# KiCad board pcb.kicad_pcb (continued)
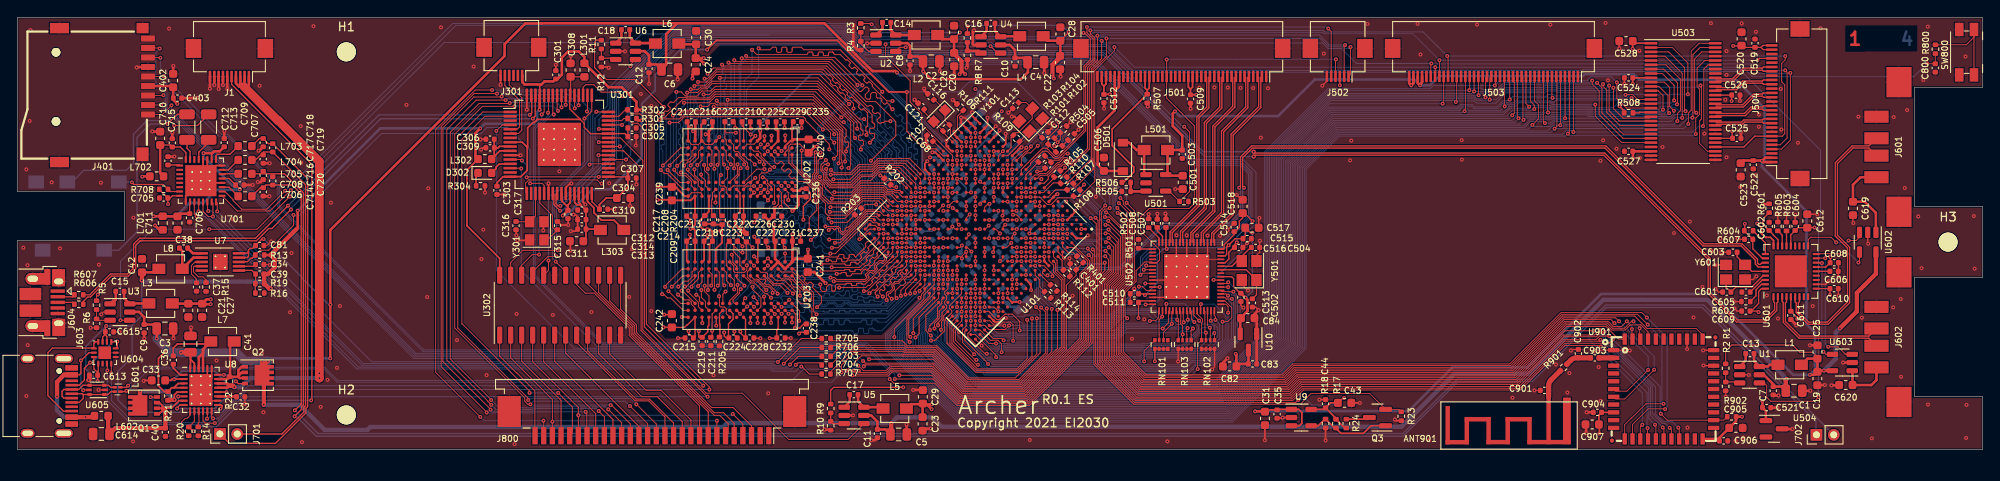
[diagram p0: board, top side]
## Routing (per net, layer and track width the routed paths; a pad name or vN(x,y) marks a point on that pad's centre or on a via; arc(x,y) is an arc through that point) (continued)
/ddr/DRAM_DATA24: length 21.1
  Top w0.1: 91.92,18.94 91.86,18.88 91.84,18.81 91.86,18.73 92.87,17.73 92.87,16.97 v1(92.37,16.47) ; U203.A2 89.69,20.9 90.03,20.56 arc(90.06,20.5) 90.03,20.45 arc(90.01,20.4) 90.03,20.35 90.35,20.03 arc(90.41,20.01) 90.46,20.03 90.56,20.13 arc(90.62,20.16) 90.67,20.13 90.99,19.81 arc(91.01,19.76) 90.99,19.71 90.88,19.6 arc(90.86,19.55) 90.88,19.5 91.2,19.18 arc(91.25,19.16) 91.31,19.18 91.47,19.34 arc(91.57,19.38) 91.68,19.34 91.89,19.13 arc(91.93,19.02) 91.89,18.91 ; v1(101.56,17.51) 101.39,17.68 101.39,18.35 102.03,18.99 arc(102.1,19.02) 102.17,18.99 arc(102.24,18.96) 102.31,18.99 102.6,19.27 arc(102.63,19.34) 102.6,19.42 102.47,19.54 arc(102.45,19.59) 102.47,19.65 102.79,19.96 arc(102.84,19.99) 102.9,19.96 arc(102.95,19.94) 103,19.96 U101.R25
  Bottom w0.1: v1(101.56,17.51) 101.56,17.43 100.46,16.33 92.51,16.33 v1(92.37,16.47)
/ddr/DRAM_DATA25: length 22.7
  Top w0.1: v1(90.3,14.88) 90.35,14.93 90.35,16.03 U203.A7 ; U101.N24 104.83,19.06 104.21,18.45 v1(104.21,18.34)
  Bottom w0.1: v1(90.3,14.88) 90.2,14.79 90.2,14.24 90.71,13.73 95.81,13.73 96.39,13.73 arc(96.5,13.69) 96.54,13.58 arc(96.59,13.48) 96.69,13.43 96.99,13.43 arc(97.1,13.48) 97.14,13.58 97.14,13.88 arc(97.19,13.99) 97.29,14.03 97.59,14.03 arc(97.7,13.99) 97.74,13.88 97.74,13.58 arc(97.79,13.48) 97.89,13.43 98.19,13.43 arc(98.3,13.48) 98.34,13.58 98.34,13.88 arc(98.39,13.99) 98.49,14.03 98.79,14.03 arc(98.9,13.99) 98.94,13.88 arc(98.99,13.78) 99.09,13.73 99.82,13.73 104.21,18.12 v1(104.21,18.34)
/ddr/DRAM_DATA26: length 21.5
  Top w0.1: U203.C2 88.24,20.53 89.56,20.53 91.97,18.12 91.97,15.97 v1(92.31,15.63) ; U101.P25 102.59,18.49 v1(102.59,17.93)
  Bottom w0.1: v1(92.31,15.63) 92.37,15.69 100.55,15.69 102.59,17.72 v1(102.59,17.93)
/ddr/DRAM_DATA27: length 21.9
  Top w0.1: v1(103.69,18.13) 103.69,18.53 U101.N25 ; v1(89.08,15.7) U203.B8
  Bottom w0.1: v1(103.69,18.13) 103.69,18.06 100.37,14.74 99.42,14.74 arc(99.34,14.77) 99.3,14.86 arc(99.26,14.95) 99.17,14.99 98.82,14.99 arc(98.74,14.95) 98.7,14.86 98.7,14.59 arc(98.66,14.48) 98.55,14.44 98.25,14.44 arc(98.14,14.48) 98.1,14.59 98.1,14.86 arc(98.06,14.95) 97.97,14.99 97.62,14.99 arc(97.54,14.95) 97.5,14.86 arc(97.46,14.77) 97.37,14.74 96.23,14.74 arc(96.14,14.77) 96.1,14.86 arc(96.07,14.95) 95.98,14.99 95.63,14.99 arc(95.54,14.95) 95.5,14.86 95.5,14.59 arc(95.46,14.48) 95.35,14.44 95.05,14.44 arc(94.95,14.48) 94.9,14.59 94.9,14.86 arc(94.87,14.95) 94.78,14.99 94.43,14.99 arc(94.34,14.95) 94.3,14.86 94.3,14.59 arc(94.26,14.48) 94.15,14.44 93.85,14.44 arc(93.75,14.48) 93.7,14.59 93.7,14.86 arc(93.67,14.95) 93.58,14.99 93.23,14.99 arc(93.14,14.95) 93.1,14.86 93.1,14.59 arc(93.06,14.48) 92.95,14.44 92.65,14.44 arc(92.55,14.48) 92.5,14.59 arc(92.46,14.69) 92.35,14.74 91.23,14.74 90.27,15.7 v1(89.08,15.7)
/ddr/DRAM_DATA28: length 21.2
  Top w0.1: 99.09,18.17 99.37,18.45 ; 99.09,18.17 99.09,17.98 v1(99.37,17.7) ; 99.09,18.17 101.44,20.52 101.43,20.54 101.43,20.76 101.7,21.04 101.96,21.04 U101.U25 ; v1(87.47,16.47) 87.08,16.87 U203.D7
  Bottom w0.1: v1(87.47,16.47) 87.18,16.77 87.18,16.98 87.43,17.23 87.62,17.23 87.98,16.87 88.15,16.87 88.37,17.09 88.37,17.3 88.2,17.47 88.2,17.59 88.37,17.76 88.69,17.76 88.72,17.72 89.38,17.72 89.74,17.36 90.49,17.36 90.83,17.7 92.37,17.7 92.54,17.52 96.38,17.52 arc(96.43,17.5) 96.45,17.45 arc(96.47,17.4) 96.53,17.37 96.98,17.37 arc(97.03,17.4) 97.05,17.45 97.05,17.62 arc(97.08,17.69) 97.15,17.72 97.55,17.72 arc(97.62,17.69) 97.65,17.62 arc(97.68,17.55) 97.75,17.52 98.2,17.52 arc(98.25,17.55) 98.28,17.6 arc(98.3,17.65) 98.35,17.67 98.8,17.67 arc(98.85,17.65) 98.88,17.6 arc(98.9,17.55) 98.95,17.52 99.19,17.52 v1(99.37,17.7)
/ddr/DRAM_DATA29: length 21.7
  Top w0.1: U101.R24 103.77,20.13 102.05,18.41 v1(102.05,17.78) ; v1(88.27,15.7) 87.88,16.09 U203.C8
  Bottom w0.1: v1(88.27,15.7) 88.66,16.09 90.21,16.09 arc(90.3,16.05) 90.33,15.96 arc(90.37,15.88) 90.46,15.84 90.81,15.84 arc(90.9,15.88) 90.93,15.96 90.93,16.19 arc(90.96,16.26) 91.03,16.29 91.43,16.29 arc(91.5,16.26) 91.53,16.19 91.53,16.01 arc(91.55,15.96) 91.61,15.94 92.06,15.94 arc(92.11,15.96) 92.13,16.01 92.28,16.01 92.29,16.01 93.12,16.01 arc(93.16,16) 93.17,15.96 arc(93.19,15.93) 93.22,15.91 93.72,15.91 arc(93.76,15.93) 93.77,15.96 93.77,16.06 arc(93.79,16.1) 93.82,16.11 94.32,16.11 arc(94.36,16.1) 94.37,16.06 94.37,15.96 arc(94.39,15.93) 94.42,15.91 94.92,15.91 arc(94.96,15.93) 94.97,15.96 94.97,16.06 arc(94.99,16.1) 95.02,16.11 95.52,16.11 arc(95.56,16.1) 95.57,16.06 95.57,15.96 arc(95.59,15.93) 95.62,15.91 96.12,15.91 arc(96.16,15.93) 96.17,15.96 96.17,16.06 arc(96.19,16.1) 96.22,16.11 96.72,16.11 arc(96.76,16.1) 96.77,16.06 96.77,15.96 arc(96.79,15.93) 96.82,15.91 97.32,15.91 arc(97.36,15.93) 97.37,15.96 97.37,16.06 arc(97.39,16.1) 97.42,16.11 97.92,16.11 arc(97.96,16.1) 97.97,16.06 97.97,15.96 arc(97.99,15.93) 98.02,15.91 98.52,15.91 arc(98.56,15.93) 98.57,15.96 98.57,16.06 arc(98.59,16.1) 98.62,16.11 99.12,16.11 arc(99.16,16.1) 99.17,16.06 99.17,15.96 arc(99.19,15.93) 99.22,15.91 99.72,15.91 arc(99.76,15.93) 99.77,15.96 99.77,16.06 arc(99.79,16.1) 99.82,16.11 100.32,16.11 arc(100.36,16.1) 100.37,16.06 arc(100.39,16.03) 100.42,16.01 100.59,16.01 102.05,17.47 v1(102.05,17.78)
/ddr/DRAM_DATA30: length 21.2
  Top w0.1: U203.A3 89.77,19.81 arc(89.79,19.77) 89.77,19.74 arc(89.76,19.7) 89.77,19.66 90.13,19.31 arc(90.16,19.3) 90.2,19.31 90.29,19.4 arc(90.34,19.42) 90.39,19.4 90.71,19.08 arc(90.73,19.03) 90.71,18.98 90.62,18.89 arc(90.61,18.85) 90.62,18.82 90.97,18.46 arc(91.01,18.45) 91.05,18.46 arc(91.08,18.48) 91.12,18.46 91.13,18.48 91.27,18.48 91.74,18 91.74,17.48 v1(91.53,17.27) ; U101.U24 102.71,21.26 102.2,20.76 arc(102.15,20.74) 102.1,20.76 arc(102.04,20.78) 101.99,20.76 101.67,20.44 arc(101.65,20.39) 101.67,20.34 101.78,20.23 arc(101.8,20.18) 101.78,20.13 101.46,19.81 arc(101.41,19.79) 101.36,19.81 101.25,19.91 arc(101.2,19.94) 101.14,19.91 100.82,19.6 arc(100.8,19.54) 100.82,19.49 100.93,19.38 arc(100.95,19.33) 100.93,19.28 100.61,18.96 arc(100.56,18.94) 100.51,18.96 100.51,18.97 100.38,19.09 100.29,19.09 100.1,18.9 100.1,18.78 100.21,18.67 100.21,18.51 100.07,18.37 99.97,18.37 99.84,18.5 99.71,18.5 99.61,18.39 99.61,18.05 v1(99.97,17.69)
  Bottom w0.1: v1(99.97,17.69) 99.97,17.33 99.77,17.13 99.42,17.13 99.41,17.13 99.08,17.13 arc(99.03,17.16) 99,17.21 arc(98.98,17.26) 98.93,17.28 98.48,17.28 arc(98.43,17.26) 98.4,17.21 98.4,17.08 arc(98.39,17.05) 98.35,17.03 97.85,17.03 arc(97.82,17.05) 97.8,17.08 97.8,17.21 arc(97.78,17.26) 97.73,17.28 97.28,17.28 arc(97.23,17.26) 97.2,17.21 arc(97.18,17.16) 97.13,17.13 97.03,17.04 96.31,17.04 96.08,17.27 v1(91.53,17.27)
/ddr/DRAM_DATA31: length 21.5
  Top w0.1: v1(90.39,17.8) 90.39,18.39 89.99,18.79 89.71,18.79 89.41,19.09 89.41,19.35 89.42,19.36 89.05,19.73 88.24,19.73 U203.C3 ; v1(98.43,18.08) 98.8,18.45 arc(98.87,18.48) 98.94,18.45 arc(99.01,18.42) 99.09,18.45 99.37,18.73 arc(99.4,18.81) 99.37,18.88 99.24,19 arc(99.22,19.05) 99.24,19.11 99.56,19.42 arc(99.62,19.45) 99.67,19.42 99.79,19.3 arc(99.86,19.27) 99.93,19.3 100.22,19.58 arc(100.25,19.65) 100.22,19.72 100.09,19.85 arc(100.07,19.9) 100.09,19.95 100.41,20.27 arc(100.46,20.29) 100.52,20.27 100.64,20.15 arc(100.71,20.12) 100.78,20.15 101.07,20.43 arc(101.09,20.5) 101.07,20.57 100.94,20.7 arc(100.92,20.75) 100.94,20.8 101.26,21.12 arc(101.31,21.14) 101.37,21.12 arc(101.42,21.1) 101.47,21.12 102.18,21.82 U101.V24
  Bottom w0.1: v1(90.39,17.8) 90.52,17.93 92.51,17.93 arc(92.58,17.9) 92.61,17.83 arc(92.64,17.76) 92.71,17.73 93.11,17.73 arc(93.18,17.76) 93.21,17.83 93.21,17.98 arc(93.22,18.01) 93.26,18.03 93.76,18.03 arc(93.79,18.01) 93.81,17.98 93.81,17.83 arc(93.84,17.76) 93.91,17.73 94.31,17.73 94.61,18.03 94.88,18.03 95.14,17.77 95.42,17.77 95.65,18 95.65,18.21 95.8,18.36 95.97,18.36 96.11,18.22 96.11,17.8 96.18,17.73 96.31,17.73 arc(96.38,17.76) 96.41,17.83 arc(96.44,17.9) 96.51,17.93 96.94,17.93 97.17,18.16 97.37,18.16 97.6,17.93 98.28,17.93 v1(98.43,18.08)
/ddr/DRAM_DQM0: length 22.2
  Top w0.1: v1(91.95,28.76) 91.95,30.05 91.01,30.99 90.19,30.99 89.79,31.38 arc(89.69,31.43) 89.58,31.38 arc(89.48,31.34) 89.37,31.38 89.16,31.6 arc(89.11,31.7) 89.16,31.81 89.37,32.02 arc(89.41,32.13) 89.37,32.23 89.16,32.45 arc(89.05,32.49) 88.95,32.45 88.73,32.23 arc(88.63,32.19) 88.52,32.23 88.31,32.45 arc(88.27,32.55) 88.31,32.66 88.52,32.87 arc(88.57,32.98) 88.52,33.08 88.31,33.29 arc(88.2,33.34) 88.1,33.29 87.88,33.08 arc(87.78,33.04) 87.67,33.08 87.46,33.29 arc(87.42,33.4) 87.46,33.51 arc(87.5,33.61) 87.46,33.72 U202.D3 ; U101.AD20 100.61,27.62 99.47,28.76 97.61,28.76 95.57,26.72 v1(93.7,26.72)
  Bottom w0.1: v1(91.95,28.76) 91.96,28.76 92.18,28.54 arc(92.22,28.43) 92.18,28.33 arc(92.13,28.22) 92.18,28.12 92.39,27.9 arc(92.5,27.86) 92.6,27.9 92.78,28.08 arc(92.85,28.11) 92.92,28.08 93.2,27.8 arc(93.23,27.73) 93.2,27.66 arc(93.17,27.59) 93.2,27.52 93.7,27.01 v1(93.7,26.72)
/ddr/DRAM_DQM1: length 21.7
  Top w0.1: U202.E7 86.68,30.5 v1(86.68,29.75) ; v1(94.08,29.02) 96.18,29.02 97.44,30.28 100.07,30.28 100.48,29.87 101.19,29.87 101.3,29.76 101.7,29.76 102.25,29.21 U101.AD17
  Bottom w0.1: v1(86.68,29.75) 86.79,29.64 87.03,29.64 87.24,29.86 87.24,30.1 87.05,30.29 87.05,30.41 87.3,30.66 87.44,30.66 87.64,30.46 87.74,30.46 87.88,30.6 87.88,30.96 87.91,30.98 89.02,30.98 arc(89.06,30.97) 89.07,30.93 arc(89.09,30.89) 89.12,30.88 89.62,30.88 arc(89.66,30.89) 89.67,30.93 arc(89.69,30.97) 89.72,30.98 90.07,30.98 arc(90.16,30.94) 90.2,30.86 arc(90.23,30.77) 90.32,30.73 90.67,30.73 arc(90.76,30.77) 90.8,30.86 arc(90.83,30.94) 90.92,30.98 91.22,30.98 arc(91.33,30.94) 91.37,30.83 arc(91.42,30.72) 91.52,30.68 91.82,30.68 arc(91.93,30.72) 91.97,30.83 arc(92.02,30.94) 92.12,30.98 93.3,29.8 arc(93.33,29.73) 93.3,29.66 arc(93.27,29.59) 93.3,29.52 93.58,29.23 arc(93.65,29.21) 93.73,29.23 arc(93.8,29.26) 93.87,29.23 v1(94.08,29.02)
/ddr/DRAM_DQM2: length 21.1
  Top w0.1: U101.AA24 100.58,23.39 99.01,21.82 arc(98.99,21.76) 99.01,21.71 arc(99.03,21.66) 99.01,21.6 98.69,21.29 arc(98.64,21.26) 98.59,21.29 arc(98.54,21.31) 98.48,21.29 arc(98.46,21.23) 98.48,21.18 arc(98.5,21.13) 98.48,21.07 98.16,20.76 arc(98.11,20.73) 98.06,20.76 97.95,20.86 arc(97.9,20.88) 97.85,20.86 97.53,20.54 arc(97.51,20.49) 97.53,20.44 arc(97.55,20.38) 97.53,20.33 96.46,20.33 arc(96.37,20.29) 96.34,20.21 arc(96.3,20.12) 96.21,20.08 95.86,20.08 arc(95.77,20.12) 95.74,20.21 95.74,20.41 arc(95.71,20.46) 95.66,20.48 95.21,20.48 arc(95.16,20.46) 95.14,20.41 arc(95.11,20.35) 95.06,20.33 v1(94.64,20.33) ; v1(86.24,17.69) 86.28,17.66 U203.E7
  Bottom w0.1: v1(94.64,20.33) 94.59,20.27 92.63,20.27 arc(92.58,20.3) 92.56,20.35 arc(92.54,20.4) 92.48,20.42 92.03,20.42 arc(91.98,20.4) 91.96,20.35 91.96,20.17 arc(91.93,20.1) 91.86,20.07 91.46,20.07 arc(91.39,20.1) 91.36,20.17 91.36,20.35 arc(91.34,20.4) 91.28,20.42 90.83,20.42 arc(90.78,20.4) 90.76,20.35 90.76,20.17 arc(90.73,20.1) 90.66,20.07 90.26,20.07 arc(90.19,20.1) 90.16,20.17 90.16,20.35 arc(90.14,20.4) 90.08,20.42 89.63,20.42 arc(89.58,20.4) 89.56,20.35 89.56,20.17 arc(89.53,20.1) 89.46,20.07 89.06,20.07 arc(88.99,20.1) 88.96,20.17 arc(88.93,20.25) 88.86,20.27 88.15,19.57 arc(88.1,19.55) 88.05,19.57 arc(87.99,19.59) 87.94,19.57 87.62,19.25 arc(87.6,19.2) 87.62,19.14 87.73,19.04 87.73,18.93 87.41,18.61 arc(87.36,18.59) 87.3,18.61 arc(87.25,18.63) 87.2,18.61 86.28,17.69 v1(86.24,17.69)
/ddr/DRAM_DQM3: length 23
  Top w0.1: v1(91.99,15.17) 91.77,15.39 91.77,16.31 91.22,16.87 90.49,16.87 90,17.37 90,18.18 88.64,19.53 87.64,19.53 U203.D3 ; v1(103.13,18.04) 103.13,18.44 104.3,19.6 U101.P24
  Bottom w0.1: v1(103.13,18.04) 103.13,17.93 100.4,15.2 92.01,15.2 v1(91.99,15.17)
/ddr/DRAM_ODT: length 66.3
  Top w0.1: v1(84.26,21.31) 84.26,21.31 84.26,20.77 83.99,20.49 83.21,20.49 83.21,20.49 82.88,20.49 82.73,20.64 82.73,21.26 82.29,21.7 ; v1(85.63,46.42) 85.8,46.25 86.94,46.25 87.24,46.55 87.54,46.55 arc(87.64,46.5) 87.69,46.4 87.69,46.1 arc(87.73,45.99) 87.84,45.95 88.14,45.95 arc(88.24,45.99) 88.29,46.1 88.29,46.4 arc(88.33,46.5) 88.44,46.55 88.74,46.55 arc(88.84,46.5) 88.89,46.4 88.89,46.1 arc(88.93,45.99) 89.04,45.95 89.34,45.95 arc(89.44,45.99) 89.49,46.1 89.49,46.4 arc(89.53,46.5) 89.64,46.55 90.54,46.55 90.84,46.25 95.03,46.25 v1(99.9,41.38) ; U202.K1 82.73,35.25 82.73,34.63 82.91,34.45 83.24,34.45 83.47,34.22 83.47,34 84.34,33.12 84.34,32.59 v1(84.31,32.56) ; U101.AC16 v2(103.24,29.21)
  Bottom w0.1: v1(85.63,46.42) 85.63,43.06 84.21,41.64 84.21,33.32 84.36,33.17 84.36,32.62 v1(84.31,32.56) 84.39,32.48 84.39,21.45 v1(84.26,21.31) ; v1(99.9,41.38) 99.67,41.15 99.67,37.5 102.32,34.84 102.32,30.12 v2(103.24,29.21)
/ddr/DRAM_RASB: length 68.5
  Top w0.1: v1(83.98,18.95) 83.09,19.84 83.09,20.1 ; U202.J3 83.94,33.23 v1(83.94,32.99) ; v1(101.09,40.32) 100.42,40.32 98.75,41.99 arc(98.73,42.04) 98.75,42.1 arc(98.77,42.15) 98.75,42.2 98.43,42.52 arc(98.38,42.54) 98.33,42.52 98.2,42.4 arc(98.13,42.37) 98.06,42.4 97.78,42.68 arc(97.75,42.75) 97.78,42.82 97.9,42.94 arc(97.93,43) 97.9,43.05 97.59,43.37 arc(97.53,43.39) 97.48,43.37 97.36,43.24 arc(97.29,43.22) 97.21,43.24 96.93,43.53 arc(96.9,43.6) 96.93,43.67 97.06,43.79 arc(97.08,43.85) 97.06,43.9 96.74,44.22 arc(96.68,44.24) 96.63,44.22 96.51,44.09 arc(96.44,44.06) 96.37,44.09 96.08,44.38 arc(96.05,44.45) 96.08,44.52 96.21,44.64 arc(96.23,44.69) 96.21,44.75 95.89,45.07 arc(95.84,45.09) 95.78,45.07 arc(95.73,45.04) 95.68,45.07 95.06,45.68 94.45,45.68 arc(94.34,45.72) 94.3,45.83 arc(94.25,45.94) 94.15,45.98 93.85,45.98 arc(93.74,45.94) 93.7,45.83 93.7,45.63 arc(93.68,45.6) 93.65,45.58 93.15,45.58 arc(93.11,45.6) 93.1,45.63 93.1,45.83 arc(93.05,45.94) 92.95,45.98 92.65,45.98 arc(92.54,45.94) 92.5,45.83 92.5,45.63 arc(92.48,45.6) 92.45,45.58 91.95,45.58 arc(91.91,45.6) 91.9,45.63 91.9,45.83 arc(91.85,45.94) 91.75,45.98 91.45,45.98 arc(91.34,45.94) 91.3,45.83 arc(91.25,45.72) 91.15,45.68 90.42,45.68 85.42,45.68 v1(84.86,46.24) ; U101.AB15 v2(104.3,29.21)
  Bottom w0.1: v1(101.09,40.32) 100.12,39.36 100.12,37.82 100.22,37.72 arc(100.25,37.65) 100.22,37.58 arc(100.19,37.51) 100.22,37.44 100.51,37.15 arc(100.58,37.12) 100.65,37.15 100.79,37.29 arc(100.86,37.32) 100.93,37.29 101.21,37.01 arc(101.24,36.94) 101.21,36.87 101.07,36.73 arc(101.04,36.66) 101.07,36.59 101.36,36.3 arc(101.43,36.28) 101.5,36.3 101.64,36.45 arc(101.71,36.48) 101.78,36.45 102.06,36.16 arc(102.09,36.09) 102.06,36.02 arc(102.03,35.95) 102.06,35.88 102.67,35.27 102.67,30.31 103.77,29.21 v2(104.3,29.21) ; v1(84.86,46.24) 84.86,43.55 83.94,42.64 v1(83.94,32.99) 83.93,32.97 83.93,26.53 84.15,26.31 84.15,22.17 83.61,21.63 83.61,19.46 83.98,19.09 v1(83.98,18.95)
/ddr/DRAM_RST: length 70
  Top w0.1: v1(74.01,38.97) 74.01,38.83 74.4,38.44 74.8,38.44 76.87,40.51 77.15,40.51 77.19,40.47 79.97,40.47 80.6,41.11 91.94,41.11 95.19,37.86 v1(95.47,37.86) ; 99.26,28.36 v1(99.19,28.36) 97.92,28.36 R203.2 ; U101.AC22 v2(100.05,26.03) ; U202.T2 76.61,34.9 v1(74.56,32.85) ; 77.49,20.9 76.78,20.9 74.83,18.95 v1(74.83,18.81)
  Bottom w0.1: v2(100.05,26.03) 99.29,26.79 99.29,31.1 99,31.39 99,32.14 99.29,32.43 99.29,33.7 97.16,35.84 97.16,36.17 v1(95.47,37.86) ; v1(74.83,18.81) 74.71,18.93 74.71,32.71 v1(74.56,32.85) 74.56,34.55 74.36,34.75 74.36,35.15 arc(74.39,35.22) 74.46,35.25 74.63,35.25 arc(74.69,35.28) 74.71,35.33 74.71,35.78 arc(74.69,35.83) 74.63,35.85 74.46,35.85 arc(74.39,35.88) 74.36,35.95 74.36,36.35 arc(74.39,36.42) 74.46,36.45 74.63,36.45 arc(74.69,36.48) 74.71,36.53 74.71,36.98 arc(74.69,37.03) 74.63,37.05 74.46,37.05 arc(74.39,37.08) 74.36,37.15 74.36,37.55 arc(74.39,37.62) 74.46,37.65 arc(74.53,37.68) 74.56,37.75 74.56,38.38 74.5,38.43 74.41,38.43 74.01,38.83 v1(74.01,38.97)
/ddr/DRAM_SDQSN_0: length 21.8
  Top w0.1: v1(89.08,30.48) 88.68,30.88 U202.B7 ; U101.AD21 100.06,27.09 99.63,27.52 98.06,27.52 95.45,24.91 95.23,24.91 94.86,25.28 94.86,25.5 94.75,25.61 94.6,25.61 94.52,25.54 94.52,25.49 94.47,25.43 94.33,25.43 94.27,25.49 94.27,25.51 94.18,25.61 93.93,25.61 v1(93.72,25.4)
  Bottom w0.1: 92.76,27.18 93.03,27.18 93.29,26.91 93.29,26.39 93.72,25.96 v1(93.72,25.4) ; 92.76,27.18 92.3,26.72 92.2,26.72 91.9,27.03 91.9,27.35 92.1,27.56 92.1,27.91 91.66,28.35 91.33,28.35 90.9,27.91 90.9,27.63 90.78,27.51 90.41,27.51 90.32,27.6 90.32,27.92 90.02,28.22 88.97,28.22 ; 92.76,27.18 92.83,27.18 ; 89.49,28.22 88.97,28.22 ; 88.97,28.22 88.17,29.03 88.17,29.57 v1(89.08,30.48)
/ddr/DRAM_SDQSN_1: length 23.8
  Top w0.1: U101.AE15 101.62,32.42 99.57,32.42 98.72,31.57 97.52,31.57 96.44,30.48 93.91,30.48 93.1,31.29 93.1,31.96 92.82,32.25 92.82,32.91 v1(93.39,33.49) ; v1(85.74,33.29) 85.74,33.35 84.98,34.1 U202.G3
  Bottom w0.1: v1(85.74,33.29) 85.92,33.47 86.27,33.47 86.47,33.27 93.18,33.27 v1(93.39,33.49)
/ddr/DRAM_SDQSN_2: length 21.2
  Top w0.1: v1(87.24,18.12) 87.24,18.4 86.8,18.84 86.39,18.84 85.54,19.7 85.08,19.7 U203.G3 ; 97.83,19.67 94.64,19.67 94.41,19.89 v1(93.92,19.89) ; 97.83,19.67 97.83,19.67 97.9,19.67 98.11,19.88 98.11,19.96 97.99,20.08 97.99,20.3 98.39,20.7 98.74,20.7 98.79,20.66 98.89,20.66 99.11,20.87 99.11,20.9 99.01,21 99.01,21.17 99.01,21.18 99.01,21.32 99.55,21.86 99.85,21.86 99.93,21.78 100.01,21.78 100.17,21.93 100.17,22.17 100.03,22.31 100.03,22.45 100.12,22.54 100.25,22.54 100.34,22.45 100.44,22.45 100.58,22.59 U101.Y25 ; 97.83,19.67 97.36,19.67
  Bottom w0.1: v1(93.92,19.89) 93.9,19.87 88.88,19.87 87.93,18.92 87.93,18.81 v1(87.24,18.12)
/ddr/DRAM_SDQSN_3: length 21
  Top w0.1: v1(100.41,17.3) 100.37,17.33 100.37,18.11 100.51,18.25 100.73,18.25 101.11,18.64 101.11,18.71 101.01,18.81 101.01,19.08 101.36,19.43 101.69,19.43 102.24,19.98 102.24,20.06 101.97,20.33 101.97,20.4 102.1,20.53 102.21,20.53 102.3,20.44 102.3,20.43 102.42,20.31 102.57,20.31 102.71,20.44 U101.T25 ; U203.B7 88.74,16.9 v1(89.16,17.32)
  Bottom w0.1: 89.51,16.69 89.48,16.69 ; 89.51,16.69 89.02,16.69 88.87,16.84 88.87,17.04 v1(89.16,17.32) ; 89.51,16.69 89.98,17.16 90.35,17.16 90.82,16.69 91.63,16.69 91.99,17.06 92.63,17.06 92.96,16.73 93.27,16.73 93.6,17.06 94.4,17.06 94.73,16.73 95.17,16.73 95.5,17.06 96.01,17.06 96.26,16.81 99.73,16.81 ; 99.73,16.81 100.02,17.09 100.03,17.09 100.19,16.94 100.19,16.89 100.27,16.81 100.34,16.81 100.59,17.06 100.59,17.11 v1(100.41,17.3) ; 99.73,16.81 99.98,17.05 ; 99.73,16.81 99.67,16.81
/ddr/DRAM_SDQSP_0: length 20.9
  Top w0.1: v1(88.26,30.51) 88.26,30.52 U202.C7 ; U101.AE21 99.83,27.85 99.83,28.02 99.69,28.15 99.55,28.15 99.47,28.07 99.47,27.9 99.29,27.72 97.98,27.72 96.06,25.81 96.06,25.81 95.97,25.72 95.79,25.72 95.61,25.54 95.61,25.36 95.41,25.15 95.27,25.15 95.06,25.36 95.06,25.58 94.83,25.81 94.8,25.81 94.79,25.81 v1(93.34,25.81)
  Bottom w0.1: 89.94,28.02 90.12,27.84 90.12,27.52 90.32,27.31 90.86,27.31 91.1,27.54 91.1,27.83 91.42,28.15 91.58,28.15 91.88,27.85 91.88,27.62 91.7,27.44 91.7,26.94 92.11,26.53 92.38,26.53 92.84,26.98 92.94,26.98 93.09,26.83 93.09,26.31 93.4,26 93.4,25.87 v1(93.34,25.81) ; 89.94,28.02 88.89,28.02 87.97,28.95 87.97,29.66 88.05,29.74 88,29.8 88,29.96 88.05,30.02 88.33,30.02 88.44,30.13 88.44,30.33 v1(88.26,30.51) ; 89.94,28.02 89.91,28.02
/ddr/DRAM_SDQSP_1: length 23.9
  Top w0.1: v1(86.22,32.99) 86.22,33.34 85.48,34.08 U202.F3 ; U101.AD15 103.77,30.73 101.87,32.63 99.5,32.63 98.64,31.76 97.44,31.76 96.35,30.68 94,30.68 93.3,31.38 93.3,32.05 93.02,32.33 93.02,32.75 93.25,32.98 v1(93.63,32.98)
  Bottom w0.1: v1(86.22,32.99) 86.31,33.08 93.54,33.08 v1(93.63,32.98)
/ddr/DRAM_SDQSP_2: length 21.3
  Top w0.1: 87.82,18.11 v1(87.82,18.03) 87.82,18.11 ; 87.82,18.11 86.87,19.05 86.49,19.05 86.33,19.21 86.33,19.33 86.45,19.45 86.45,19.59 86.34,19.7 85.81,19.7 85.48,20.04 U203.F3 ; 100.37,22.09 100.37,22.08 ; 100.37,22.09 101.11,22.84 U101.Y24 ; 100.37,22.09 100.37,21.85 100.03,21.51 99.91,21.51 99.76,21.66 99.64,21.66 99.21,21.24 99.21,21.09 99.21,21.09 99.33,20.97 99.33,20.81 98.9,20.39 98.77,20.39 98.66,20.5 98.48,20.5 98.19,20.22 98.19,20.16 98.36,19.99 98.36,19.85 97.98,19.47 97.75,19.47 97.74,19.47 v1(94.3,19.47)
  Bottom w0.1: v1(94.3,19.47) 94.27,19.5 93.78,19.5 93.61,19.67 88.96,19.67 88.13,18.84 88.13,18.73 87.78,18.38 87.78,18.06 v1(87.82,18.03)
/ddr/DRAM_SDQSP_3: length 21.6
  Top w0.1: v1(88.27,16.49) 88.27,16.51 U203.C7 ; v1(101,17.44) 100.95,17.44 100.57,17.81 100.57,17.93 100.69,18.05 100.81,18.05 101.31,18.56 101.31,18.79 101.21,18.89 101.21,19 101.44,19.23 101.77,19.23 103.24,20.69 U101.T24
  Bottom w0.1: 89.46,16.49 v1(88.27,16.49) 89.59,16.49 90.06,16.96 90.26,16.96 90.74,16.49 91.71,16.49 92.08,16.86 92.55,16.86 92.88,16.53 93.36,16.53 93.68,16.86 94.32,16.86 94.65,16.53 95.25,16.53 95.58,16.86 95.93,16.86 96.18,16.61 100.43,16.61 101,17.18 v1(101,17.44)
/ddr/DRAM_WEB: length 69.5
  Top w0.1: U101.AB14 v2(104.83,29.74) ; 81.49,20.1 81.49,19.16 v1(81.66,18.99) ; U202.L3 81.48,33.13 v1(81.64,32.97) ; v1(100.85,37.99) 100.22,37.99 100.05,37.81 99.97,37.84 99.89,37.84 99.82,37.81 99.79,37.78 arc(99.65,37.72) 99.51,37.78 99.37,37.92 arc(99.31,38.07) 99.37,38.21 99.65,38.49 arc(99.71,38.63) 99.65,38.77 99.51,38.91 arc(99.37,38.97) 99.23,38.91 arc(99.09,38.86) 98.94,38.91 98.8,39.06 arc(98.74,39.2) 98.8,39.34 arc(98.86,39.48) 98.8,39.62 98.66,39.76 arc(98.52,39.82) 98.38,39.76 arc(98.24,39.7) 98.1,39.76 93.49,44.37 81.53,44.37 v1(81.39,44.51)
  Bottom w0.1: v2(104.83,29.74) 104.3,29.74 103.1,30.94 103.1,31.83 arc(103.07,31.9) 103,31.93 arc(102.93,31.96) 102.9,32.03 102.9,32.43 arc(102.93,32.5) 103,32.53 103.2,32.53 arc(103.27,32.56) 103.3,32.63 103.3,33.03 arc(103.27,33.1) 103.2,33.13 103,33.13 arc(102.93,33.16) 102.9,33.23 102.9,33.63 arc(102.93,33.7) 103,33.73 103.2,33.73 arc(103.27,33.76) 103.3,33.83 103.3,34.23 arc(103.27,34.3) 103.2,34.33 103,34.33 arc(102.93,34.36) 102.9,34.43 102.9,34.83 arc(102.93,34.9) 103,34.93 103.2,34.93 arc(103.27,34.96) 103.3,35.03 103.3,35.43 arc(103.27,35.5) 103.2,35.53 103,35.53 arc(102.93,35.56) 102.9,35.63 102.9,36.03 ; 81.62,36.47 81.62,38.07 arc(81.65,38.14) 81.72,38.17 arc(81.79,38.2) 81.82,38.27 81.82,38.67 arc(81.79,38.74) 81.72,38.77 81.55,38.77 arc(81.49,38.79) 81.47,38.85 81.47,39.3 arc(81.49,39.35) 81.55,39.37 81.72,39.37 arc(81.79,39.4) 81.82,39.47 81.82,39.87 arc(81.79,39.94) 81.72,39.97 arc(81.65,40) 81.62,40.07 81.62,40.57 arc(81.64,40.61) 81.67,40.62 arc(81.71,40.64) 81.72,40.67 81.72,41.17 arc(81.71,41.21) 81.67,41.22 arc(81.64,41.24) 81.62,41.27 81.62,41.57 arc(81.66,41.68) 81.77,41.72 arc(81.88,41.76) 81.92,41.87 81.92,42.17 arc(81.88,42.28) 81.77,42.32 arc(81.66,42.36) 81.62,42.47 81.62,42.72 arc(81.65,42.79) 81.72,42.82 arc(81.79,42.85) 81.82,42.92 81.82,43.32 arc(81.79,43.39) 81.72,43.42 81.52,43.42 arc(81.45,43.45) 81.42,43.52 81.42,43.92 arc(81.45,43.99) 81.52,44.02 arc(81.59,44.05) 81.62,44.12 81.62,44.28 v1(81.39,44.51) ; 81.62,36.47 81.62,36.68 ; 81.62,36.47 81.62,36.39 81.71,36.29 81.71,35.98 81.63,35.9 81.63,32.98 v1(81.64,32.97) 81.65,32.96 81.65,26.33 81.84,26.14 81.84,24.7 81.65,24.51 81.65,19 v1(81.66,18.99) ; 102.9,36.03 103.1,36.23 ; 102.9,36.03 103.23,36.35 103.23,36.55 103,36.78 102.75,36.78 102.32,36.35 102.2,36.35 101.99,36.56 101.99,36.69 102.39,37.08 arc(102.42,37.15) 102.39,37.22 102.1,37.51 arc(102.03,37.54) 101.96,37.51 101.82,37.37 arc(101.75,37.34) 101.68,37.37 101.4,37.65 arc(101.37,37.72) 101.4,37.79 arc(101.43,37.86) 101.4,37.93 101.34,37.99 v1(100.85,37.99)
/ec/EC_SWCLK: length 8.5
  Top w0.11: J301.4 56.81,42.17 58.27,40.71 58.27,36.93 57.89,36.55 56.93,36.55 U301.6
/ec/EC_SWDIO: length 7.8
  Top w0.11: U301.5 56.94,37.06 57.75,37.06 58,37.32 58,40.41 56.31,42.1 J301.5
/ec/KSOE: length 23.2
  Top w0.11: U301.50 65.85,39.17 v1(65.79,39.11) ; U302.18 63.34,20.58 v1(62.18,21.74)
  Bottom w0.11: v1(65.79,39.11) 65.91,39 65.91,33.32 61.8,29.22 61.8,22.12 v1(62.18,21.74)
/ec/KSOS1: length 21.9
  Top w0.11: U302.23 56.98,21.65 58.38,23.05 v1(62.41,23.05) ; v1(67.12,34.05) 67.13,34.05 U301.38
  Bottom w0.11: v1(67.12,34.05) 67.12,32.9 62.8,28.58 62.54,28.58 62.28,28.32 62.28,23.18 v1(62.41,23.05)
/ec/KSOS2: length 23
  Top w0.11: U301.58 61.85,38.87 v1(61.96,38.76) ; U302.22 58.2,20.22 58.2,21.28 59.47,22.54 v1(60.26,22.54)
  Bottom w0.11: v1(60.26,22.54) 60.26,37.28 61.73,38.76 v1(61.96,38.76)
/ec/KSOS3: length 24.3
  Top w0.11: U302.21 59.52,20.57 61.3,22.35 v1(62.27,22.35) ; v1(66.88,39.08) 66.9,39.05 U301.48
  Bottom w0.11: v1(66.88,39.08) 66.47,38.67 66.47,32.55 62.72,28.79 62.45,28.79 62.01,28.35 62.01,22.6 v1(62.27,22.35)
/ec/KSOS4: length 23.1
  Top w0.11: v1(61.35,21.86) 61.35,20.72 U302.20 ; U301.49 66.35,39.13 v1(65.5,38.28)
  Bottom w0.11: v1(65.5,38.28) 65.5,33.29 61.35,29.14 v1(61.35,21.86)
/ec/LED: length 2.7
  Top w0.2: D302.2 55.28,32.49 55.28,32.64 55.67,33.03 56.91,33.03 U301.13
/lcd/LEDA: length 16.1
  Top w0.3: 126.75,41.54 J501.36 ; 126.75,41.54 126.8,41.54 127.24,41.98 127.24,43.14 J501.35 ; 126.75,41.54 126.75,39.24 124.77,37.27 124.77,32.95 C506.2 127.68,32.23 D501.1
/lcd/LEDK: length 17.5
  Top w0.2: J501.29 130.25,43.15 130.25,41.81 130.5,41.56 ; 130.5,41.56 130.74,41.81 130.74,43.14 J501.28 ; 130.5,41.56 R507.1 126.45,37.06 126.45,35.15 128.5,33.1 128.53,33.1 128.95,32.68 128.95,32.1 127.76,30.9 R506.1